# KiCad board rabbit_mask_capacitors_right.kicad_pcb (continued)
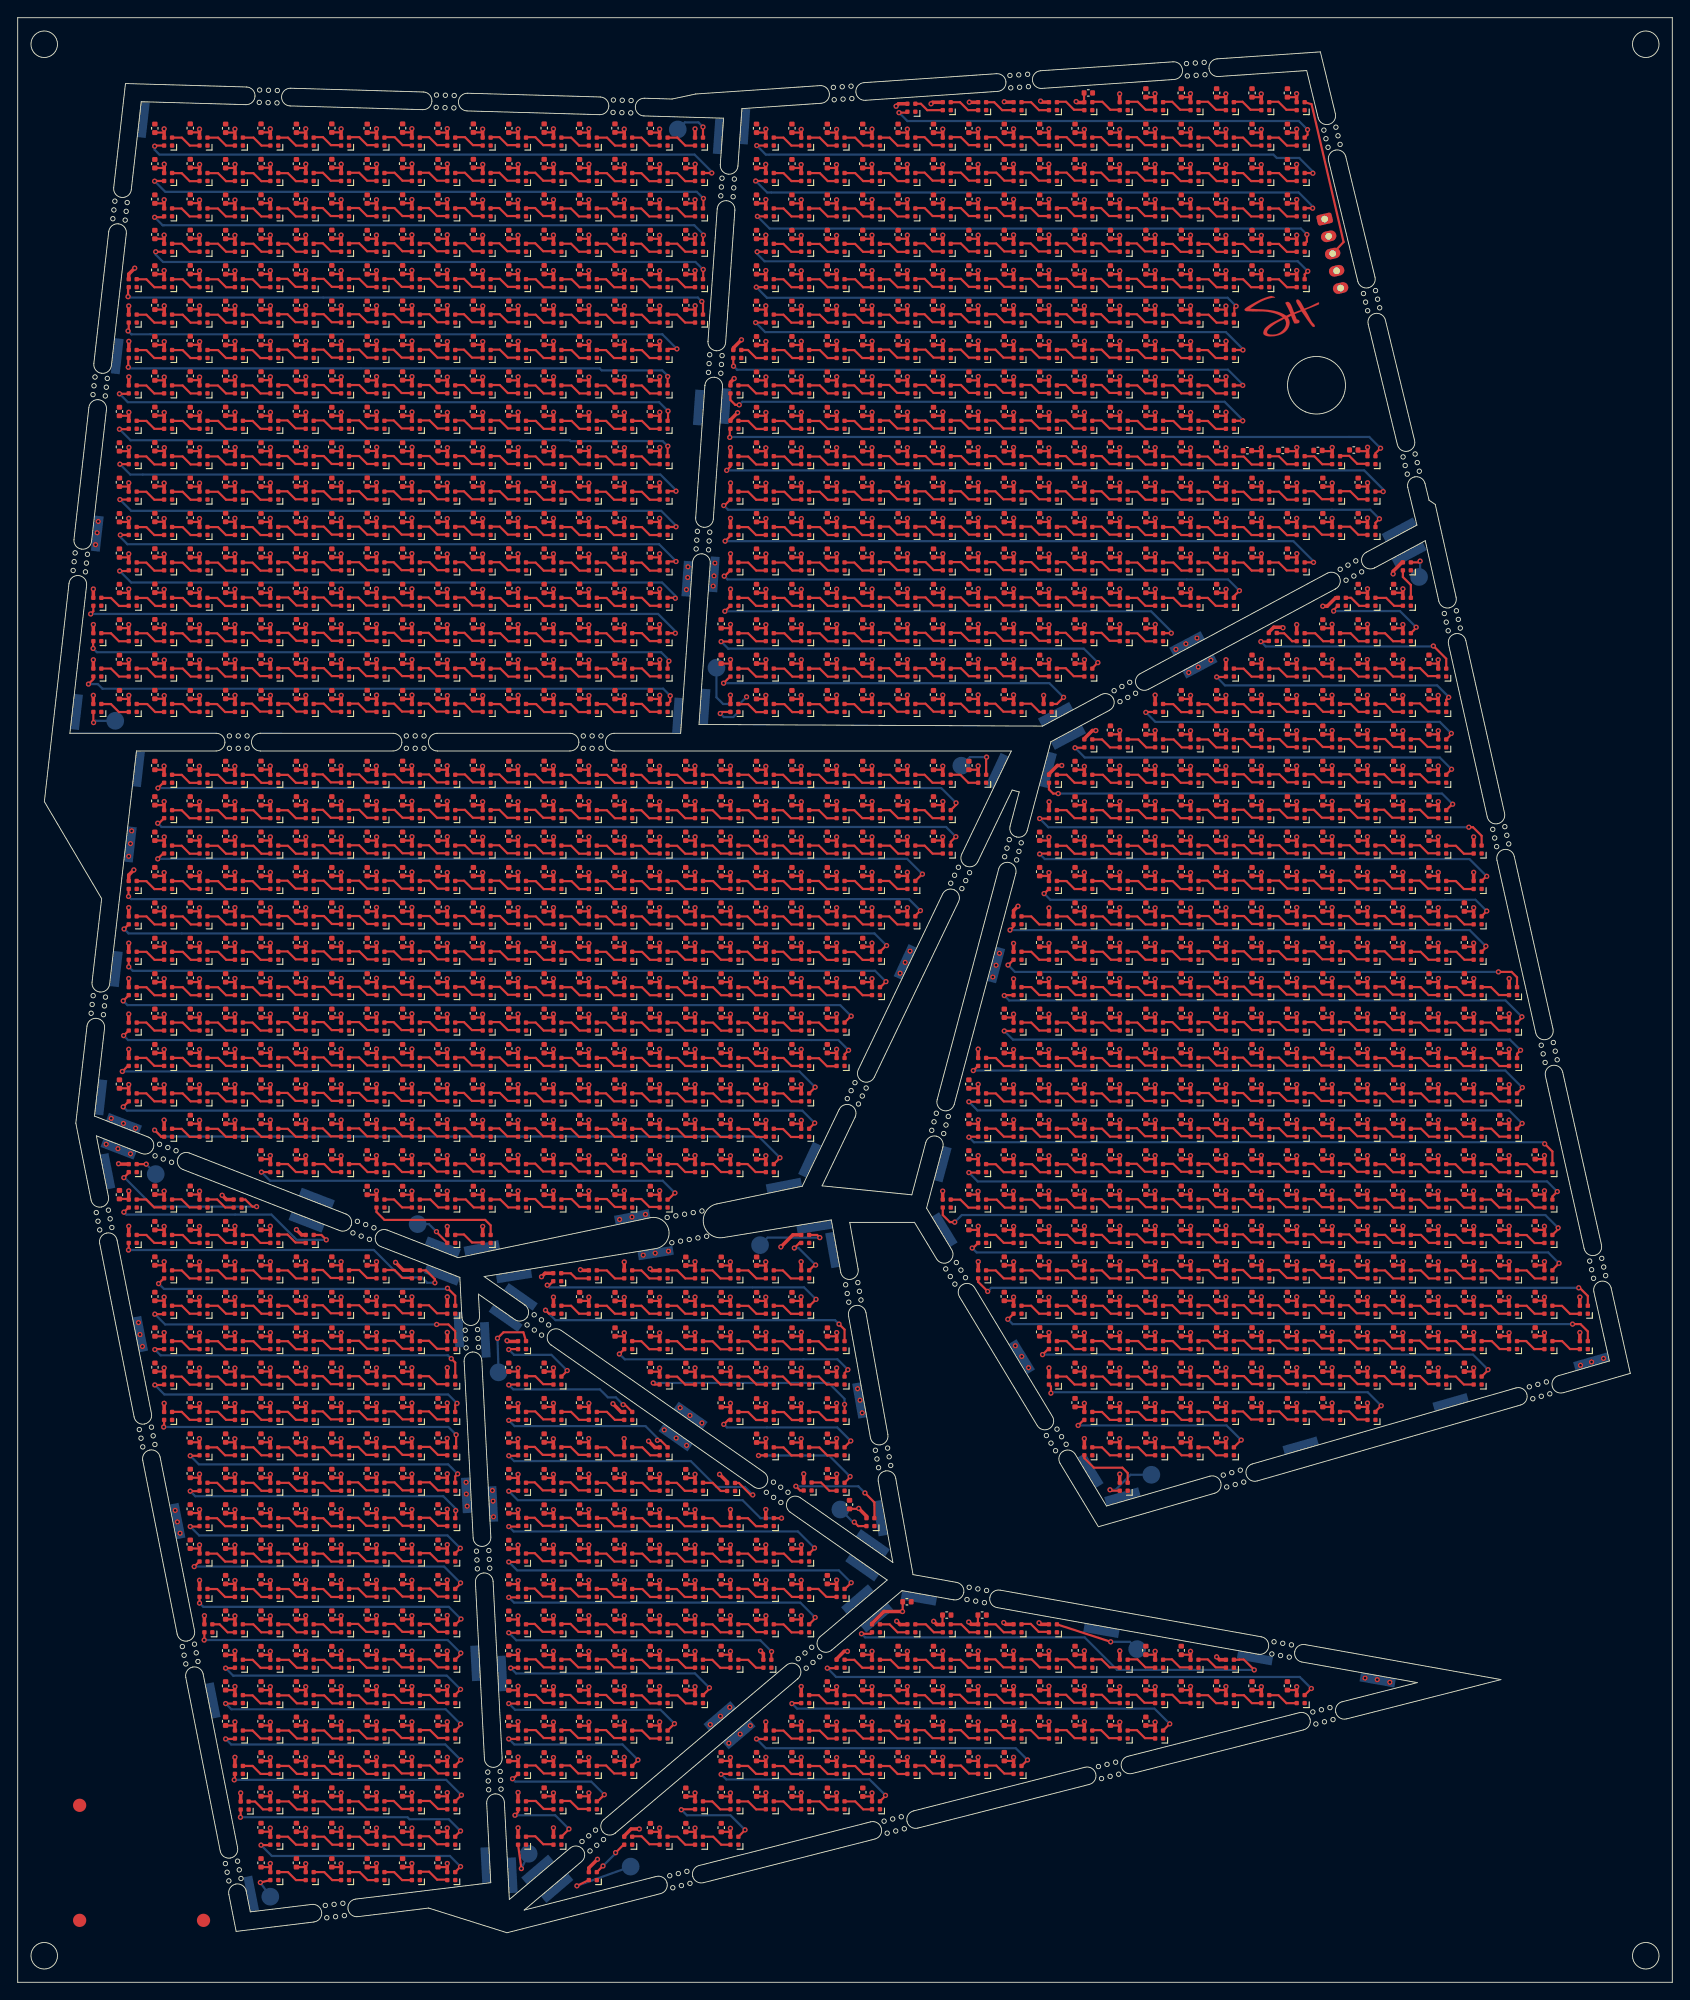
[diagram p0: board, top side]
## Nets (continued)
VCC: C1485.1 C1485#2.1 C1485#3.1 C1485#4.1 C1485#5.1 C1485#6.1 C1485#7.1 C1485#8.1 C1485#9.1 C1485#10.1 C1485#11.1 C1485#12.1 C1485#13.1 C1485#14.1 C1485#15.1 C1485#16.1 C1485#17.1 C1485#18.1 C1485#19.1 C1485#20.1 C1485#21.1 C1485#22.1 C1485#23.1 C1485#24.1 C1485#25.1 C1485#26.1 C1485#27.1 C1485#28.1 C1485#29.1 C1485#30.1 C1485#31.1 C1485#32.1 C1485#33.1 C1485#34.1 C1485#35.1 C1485#36.1 C1485#37.1 C1485#38.1 C1485#39.1 C1485#40.1 C1485#41.1 C1485#42.1 C1485#43.1 C1485#44.1 C1485#45.1 C1485#46.1 C1485#47.1 C1485#48.1 C1485#49.1 C1485#50.1 C1485#51.1 C1485#52.1 C1485#53.1 C1485#54.1 C1485#55.1 C1485#56.1 C1485#57.1 C1485#58.1 C1485#59.1 C1485#60.1 C1485#61.1 C1485#62.1 C1485#63.1 C1485#64.1 C1485#65.1 C1485#66.1 C1485#67.1 C1485#68.1 C1485#69.1 C1485#70.1 C1485#71.1 C1485#72.1 C1485#73.1 C1485#74.1 C1485#75.1 C1485#76.1 C1485#77.1 C1485#78.1 C1485#79.1 C1485#80.1 C1485#81.1 C1485#82.1 C1485#83.1 C1485#84.1 C1485#85.1 C1485#86.1 C1485#87.1 C1485#88.1 C1485#89.1 C1485#90.1 C1485#91.1 C1485#92.1 C1485#93.1 C1485#94.1 C1485#95.1 C1485#96.1 C1485#97.1 C1485#98.1 C1485#99.1 C1485#100.1 C1485#101.1 C1485#102.1 C1485#103.1 C1485#104.1 C1485#105.1 C1485#106.1 C1485#107.1 C1485#108.1 C1485#109.1 C1485#110.1 C1485#111.1 C1485#112.1 C1485#113.1 C1485#114.1 C1485#115.1 C1485#116.1 C1485#117.1 C1485#118.1 C1485#119.1 C1485#120.1 C1485#121.1 C1485#122.1 C1485#123.1 C1485#124.1 C1485#125.1 C1485#126.1 C1485#127.1 C1485#128.1 C1485#129.1 C1485#130.1 C1485#131.1 C1485#132.1 C1485#133.1 C1485#134.1 C1485#135.1 C1485#136.1 C1485#137.1 C1485#138.1 C1485#139.1 C1485#140.1 C1485#141.1 C1485#142.1 C1485#143.1 C1485#144.1 C1485#145.1 C1485#146.1 C1485#147.1 C1485#148.1 C1485#149.1 C1485#150.1 C1485#151.1 C1485#152.1 C1485#153.1 C1485#154.1 C1485#155.1 C1485#156.1 C1485#157.1 C1485#158.1 C1485#159.1 C1485#160.1 C1485#161.1 C1485#162.1 C1485#163.1 C1485#164.1 C1485#165.1 C1485#166.1 C1485#167.1 C1485#168.1 C1485#169.1 C1485#170.1 C1485#171.1 C1485#172.1 C1485#173.1 C1485#174.1 C1485#175.1 C1485#176.1 C1485#177.1 C1485#178.1 C1485#179.1 C1485#180.1 C1485#181.1 C1485#182.1 C1485#183.1 C1485#184.1 C1485#185.1 C1485#186.1 C1485#187.1 C1485#188.1 C1485#189.1 C1485#190.1 C1485#191.1 C1485#192.1 C1485#193.1 C1485#194.1 C1485#195.1 C1485#196.1 C1485#197.1 C1485#198.1 C1485#199.1 C1485#200.1 C1485#201.1 C1485#202.1 C1485#203.1 C1485#204.1 C1485#205.1 C1485#206.1 C1485#207.1 C1485#208.1 C1485#209.1 C1485#210.1 C1485#211.1 C1485#212.1 C1485#213.1 C1485#214.1 C1485#215.1 C1485#216.1 C1485#217.1 C1485#218.1 C1485#219.1 C1485#220.1 C1485#221.1 C1485#222.1 C1485#223.1 C1485#224.1 C1485#225.1 C1485#226.1 C1485#227.1 C1485#228.1 C1485#229.1 C1485#230.1 C1485#231.1 C1485#232.1 C1485#233.1 C1485#234.1 C1485#235.1 C1485#236.1 C1485#237.1 C1485#238.1 C1485#239.1 C1485#240.1 C1485#241.1 C1485#242.1 C1485#243.1 C1485#244.1 C1485#245.1 C1485#246.1 C1485#247.1 C1485#248.1 C1485#249.1 C1485#250.1 C1485#251.1 C1485#252.1 C1485#253.1 C1485#254.1 C1485#255.1 C1485#256.1 C1485#257.1 C1485#258.1 C1485#259.1 C1485#260.1 C1485#261.1 C1485#262.1 C1485#263.1 C1485#264.1 C1485#265.1 C1485#266.1 C1485#267.1 C1485#268.1 C1485#269.1 C1485#270.1 C1485#271.1 C1485#272.1 C1485#273.1 C1485#274.1 C1485#275.1 C1485#276.1 C1485#277.1 C1485#278.1 C1485#279.1 C1485#280.1 C1485#281.1 C1485#282.1 C1485#283.1 C1485#284.1 C1485#285.1 C1485#286.1 C1485#287.1 C1485#288.1 C1485#289.1 C1485#290.1 C1485#291.1 C1485#292.1 C1485#293.1 C1485#294.1 C1485#295.1 C1485#296.1 C1485#297.1 C1485#298.1 C1485#299.1 C1485#300.1 C1485#301.1 C1485#302.1 C1485#303.1 C1485#304.1 C1485#305.1 C1485#306.1 C1485#307.1 C1485#308.1 C1485#309.1 C1485#310.1 C1485#311.1 C1485#312.1 C1485#313.1 C1485#314.1 C1485#315.1 C1485#316.1 C1485#317.1 C1485#318.1 C1485#319.1 C1485#320.1 C1485#321.1 C1485#322.1 C1485#323.1 C1485#324.1 C1485#325.1 C1485#326.1 C1485#327.1 C1485#328.1 C1485#329.1 C1485#330.1 C1485#331.1 C1485#332.1 C1485#333.1 C1485#334.1 C1485#335.1 C1485#336.1 C1485#337.1 C1485#338.1 C1485#339.1 C1485#340.1 C1485#341.1 C1485#342.1 C1485#343.1 C1485#344.1 C1485#345.1 C1485#346.1 C1485#347.1 C1485#348.1 C1485#349.1 C1485#350.1 C1485#351.1 C1485#352.1 C1485#353.1 C1485#354.1 C1485#355.1 C1485#356.1 C1485#357.1 C1485#358.1 C1485#359.1 C1485#360.1 C1485#361.1 C1485#362.1 C1485#363.1 C1485#364.1 C1485#365.1 C1485#366.1 C1485#367.1 C1485#368.1 C1485#369.1 C1485#370.1 C1485#371.1 C1485#372.1 C1485#373.1 C1485#374.1 C1485#375.1 C1485#376.1 C1485#377.1 C1485#378.1 C1485#379.1 C1485#380.1 C1485#381.1 C1485#382.1 C1485#383.1 C1485#384.1 C1485#385.1 C1485#386.1 C1485#387.1 C1485#388.1 C1485#389.1 C1485#390.1 C1485#391.1 C1485#392.1 C1485#393.1 C1485#394.1 C1485#395.1 C1485#396.1 C1485#397.1 C1485#398.1 C1485#399.1 C1485#400.1 C1485#401.1 C1485#402.1 C1485#403.1 C1485#404.1 C1485#405.1 C1485#406.1 C1485#407.1 C1485#408.1 C1485#409.1 C1485#410.1 C1485#411.1 C1485#412.1 C1485#413.1 C1485#414.1 C1485#415.1 C1485#416.1 C1485#417.1 C1485#418.1 C1485#419.1 C1485#420.1 C1485#421.1 C1485#422.1 C1485#423.1 C1485#424.1 C1485#425.1 C1485#426.1 C1485#427.1 C1485#428.1 C1485#429.1 C1485#430.1 C1485#431.1 C1485#432.1 C1485#433.1 C1485#434.1 C1485#435.1 C1485#436.1 C1485#437.1 C1485#438.1 C1485#439.1 C1485#440.1 C1485#441.1 C1485#442.1 C1485#443.1 C1485#444.1 C1485#445.1 C1485#446.1 C1485#447.1 C1485#448.1 C1485#449.1 C1485#450.1 C1485#451.1 C1485#452.1 C1485#453.1 C1485#454.1 C1485#455.1 C1485#456.1 C1485#457.1 C1485#458.1 C1485#459.1 C1485#460.1 C1485#461.1 C1485#462.1 C1485#463.1 C1485#464.1 C1485#465.1 C1485#466.1 C1485#467.1 C1485#468.1 C1485#469.1 C1485#470.1 C1485#471.1 C1485#472.1 C1485#473.1 C1485#474.1 C1485#475.1 C1485#476.1 C1485#477.1 C1485#478.1 C1485#479.1 C1485#480.1 C1485#481.1 C1485#482.1 C1485#483.1 C1485#484.1 C1485#485.1 C1485#486.1 C1485#487.1 C1485#488.1 C1485#489.1 C1485#490.1 C1485#491.1 C1485#492.1 C1485#493.1 C1485#494.1 C1485#495.1 C1485#496.1 C1485#497.1 C1485#498.1 C1485#499.1 C1485#500.1 C1485#501.1 C1485#502.1 C1485#503.1 C1485#504.1 C1485#505.1 C1485#506.1 C1485#507.1 C1485#508.1 C1485#509.1 C1485#510.1 C1485#511.1 C1485#512.1 C1485#513.1 C1485#514.1 C1485#515.1 C1485#516.1 C1485#517.1 C1485#518.1 C1485#519.1 C1485#520.1 C1485#521.1 C1485#522.1 C1485#523.1 C1485#524.1 C1485#525.1 C1485#526.1 C1485#527.1 C1485#528.1 C1485#529.1 C1485#530.1 C1485#531.1 C1485#532.1 C1485#533.1 C1485#534.1 C1485#535.1 C1485#536.1 C1485#537.1 C1485#538.1 C1485#539.1 C1485#540.1 C1485#541.1 C1485#542.1 C1485#543.1 C1485#544.1 C1485#545.1 C1485#546.1 C1485#547.1 C1485#548.1 C1485#549.1 C1485#550.1 C1485#551.1 C1485#552.1 C1485#553.1 C1485#554.1 C1485#555.1 C1485#556.1 C1485#557.1 C1485#558.1 C1485#559.1 C1485#560.1 C1485#561.1 C1485#562.1 C1485#563.1 C1485#564.1 C1485#565.1 C1485#566.1 C1485#567.1 C1485#568.1 C1485#569.1 C1485#570.1 C1485#571.1 C1485#572.1 C1485#573.1 C1485#574.1 C1485#575.1 C1485#576.1 C1485#577.1 C1485#578.1 C1485#579.1 C1485#580.1 C1485#581.1 C1485#582.1 C1485#583.1 C1485#584.1 C1485#585.1 C1485#586.1 C1485#587.1 C1485#588.1 C1485#589.1 C1485#590.1 C1485#591.1 C1485#592.1 C1485#593.1 C1485#594.1 C1485#595.1 C1485#596.1 C1485#597.1 C1485#598.1 C1485#599.1 C1485#600.1 C1485#601.1 C1485#602.1 C1485#603.1 C1485#604.1 C1485#605.1 C1485#606.1 C1485#607.1 C1485#608.1 C1485#609.1 C1485#610.1 C1485#611.1 C1485#612.1 C1485#613.1 C1485#614.1 C1485#615.1 C1485#616.1 C1485#617.1 C1485#618.1 C1485#619.1 C1485#620.1 C1485#621.1 C1485#622.1 C1485#623.1 C1485#624.1 C1485#625.1 C1485#626.1 C1485#627.1 C1485#628.1 C1485#629.1 C1485#630.1 C1485#631.1 C1485#632.1 C1485#633.1 C1485#634.1 C1485#635.1 C1485#636.1 C1485#637.1 C1485#638.1 C1485#639.1 C1485#640.1 C1485#641.1 C1485#642.1 C1485#643.1 C1485#644.1 C1485#645.1 C1485#646.1 C1485#647.1 C1485#648.1 C1485#649.1 C1485#650.1 C1485#651.1 C1485#652.1 C1485#653.1 C1485#654.1 C1485#655.1 C1485#656.1 C1485#657.1 C1485#658.1 C1485#659.1 C1485#660.1 C1485#661.1 C1485#662.1 C1485#663.1 C1485#664.1 C1485#665.1 C1485#666.1 C1485#667.1 C1485#668.1 C1485#669.1 C1485#670.1 C1485#671.1 C1485#672.1 C1485#673.1 C1485#674.1 C1485#675.1 C1485#676.1 C1485#677.1 C1485#678.1 C1485#679.1 C1485#680.1 C1485#681.1 C1485#682.1 C1485#683.1 C1485#684.1 C1485#685.1 C1485#686.1 C1485#687.1 C1485#688.1 C1485#689.1 C1485#690.1 C1485#691.1 C1485#692.1 C1485#693.1 C1485#694.1 C1485#695.1 C1485#696.1 C1485#697.1 C1485#698.1 C1485#699.1 C1485#700.1 C1485#701.1 C1485#702.1 C1485#703.1 C1485#704.1 C1485#705.1 C1485#706.1 C1485#707.1 C1485#708.1 C1485#709.1 C1485#710.1 C1485#711.1 C1485#712.1 C1485#713.1 C1485#714.1 C1485#715.1 C1485#716.1 C1485#717.1 C1485#718.1 C1485#719.1 C1485#720.1 C1485#721.1 C1485#722.1 C1485#723.1 C1485#724.1 C1485#725.1 C1485#726.1 C1485#727.1 C1485#728.1 C1485#729.1 C1485#730.1 C1485#731.1 C1485#732.1 C1485#733.1 C1485#734.1 C1485#735.1 C1485#736.1 C1485#737.1 C1485#738.1 C1485#739.1 C1485#740.1 C1485#741.1 C1485#742.1 C1485#743.1 C1485#744.1 C1485#745.1 C1485#746.1 C1485#747.1 C1485#748.1 C1485#749.1 C1485#750.1 C1485#751.1 C1485#752.1 C1485#753.1 C1485#754.1 C1485#755.1 C1485#756.1 C1485#757.1 C1485#758.1 C1485#759.1 C1485#760.1 C1485#761.1 C1485#762.1 C1485#763.1 C1485#764.1 C1485#765.1 C1485#766.1 C1485#767.1 C1485#768.1 C1485#769.1 C1485#770.1 C1485#771.1 C1485#772.1 C1485#773.1 C1485#774.1 C1485#775.1 C1485#776.1 C1485#777.1 C1485#778.1 C1485#779.1 C1485#780.1 C1485#781.1 C1485#782.1 C1485#783.1 C1485#784.1 C1485#785.1 C1485#786.1 C1485#787.1 C1485#788.1 C1485#789.1 C1485#790.1 C1485#791.1 C1485#792.1 C1485#793.1 C1485#794.1 C1485#795.1 C1485#796.1 C1485#797.1 C1485#798.1 C1485#799.1 C1485#800.1 C1485#801.1 C1485#802.1 C1485#803.1 C1485#804.1 C1485#805.1 C1485#806.1 C1485#807.1 C1485#808.1 C1485#809.1 C1485#810.1 C1485#811.1 C1485#812.1 C1485#813.1 C1485#814.1 C1485#815.1 C1485#816.1 C1485#817.1 C1485#818.1 C1485#819.1 C1485#820.1 C1485#821.1 C1485#822.1 C1485#823.1 C1485#824.1 C1485#825.1 C1485#826.1 C1485#827.1 C1485#828.1 C1485#829.1 C1485#830.1 C1485#831.1 C1485#832.1 C1485#833.1 C1485#834.1 C1485#835.1 C1485#836.1 C1485#837.1 C1485#838.1 C1485#839.1 C1485#840.1 C1485#841.1 C1485#842.1 C1485#843.1 C1485#844.1 C1485#845.1 C1485#846.1 C1485#847.1 C1485#848.1 C1485#849.1 C1485#850.1 C1485#851.1 C1485#852.1 C1485#853.1 C1485#854.1 C1485#855.1 C1485#856.1 C1485#857.1 C1485#858.1 C1485#859.1 C1485#860.1 C1485#861.1 C1485#862.1 C1485#863.1 C1485#864.1 C1485#865.1 C1485#866.1 C1485#867.1 C1485#868.1 C1485#869.1 C1485#870.1 C1485#871.1 C1485#872.1 C1485#873.1 C1485#874.1 C1485#875.1 C1485#876.1 C1485#877.1 C1485#878.1 C1485#879.1 C1485#880.1 C1485#881.1 C1485#882.1 C1485#883.1 C1485#884.1 C1485#885.1 C1485#886.1 C1485#887.1 C1485#888.1 C1485#889.1 C1485#890.1 C1485#891.1 C1485#892.1 C1485#893.1 C1485#894.1 C1485#895.1 C1485#896.1 C1485#897.1 C1485#898.1 C1485#899.1 C1485#900.1 C1485#901.1 C1485#902.1 C1485#903.1 C1485#904.1 C1485#905.1 C1485#906.1 C1485#907.1 C1485#908.1 C1485#909.1 C1485#910.1 C1485#911.1 C1485#912.1 C1485#913.1 C1485#914.1 C1485#915.1 C1485#916.1 C1485#917.1 C1485#918.1 C1485#919.1 C1485#920.1 C1485#921.1 C1485#922.1 C1485#923.1 C1485#924.1 C1485#925.1 C1485#926.1 C1485#927.1 C1485#928.1 C1485#929.1 C1485#930.1 C1485#931.1 C1485#932.1 C1485#933.1 C1485#934.1 C1485#935.1 C1485#936.1 C1485#937.1 C1485#938.1 C1485#939.1 C1485#940.1 C1485#941.1 C1485#942.1 C1485#943.1 C1485#944.1 C1485#945.1 C1485#946.1 C1485#947.1 C1485#948.1 C1485#949.1 C1485#950.1 C1485#951.1 C1485#952.1 C1485#953.1 C1485#954.1 C1485#955.1 C1485#956.1 C1485#957.1 C1485#958.1 C1485#959.1 C1485#960.1 C1485#961.1 C1485#962.1 C1485#963.1 C1485#964.1 C1485#965.1 C1485#966.1 C1485#967.1 C1485#968.1 C1485#969.1 C1485#970.1 C1485#971.1 C1485#972.1 C1485#973.1 C1485#974.1 C1485#975.1 C1485#976.1 C1485#977.1 C1485#978.1 C1485#979.1 C1485#980.1 C1485#981.1 C1485#982.1 C1485#983.1 C1485#984.1 C1485#985.1 C1485#986.1 C1485#987.1 C1485#988.1 C1485#989.1 C1485#990.1 C1485#991.1 C1485#992.1 C1485#993.1 C1485#994.1 C1485#995.1 C1485#996.1 C1485#997.1 C1485#998.1 C1485#999.1 C1485#1000.1 C1485#1001.1 C1485#1002.1 C1485#1003.1 C1485#1004.1 C1485#1005.1 C1485#1006.1 C1485#1007.1 C1485#1008.1 C1485#1009.1 C1485#1010.1 C1485#1011.1 C1485#1012.1 C1485#1013.1 C1485#1014.1 C1485#1015.1 C1485#1016.1 C1485#1017.1 C1485#1018.1 C1485#1019.1 C1485#1020.1 C1485#1021.1 C1485#1022.1 C1485#1023.1 C1485#1024.1 C1485#1025.1 C1485#1026.1 C1485#1027.1 C1485#1028.1 C1485#1029.1 C1485#1030.1 C1485#1031.1 C1485#1032.1 C1485#1033.1 C1485#1034.1 C1485#1035.1 C1485#1036.1 C1485#1037.1 C1485#1038.1 C1485#1039.1 C1485#1040.1 C1485#1041.1 C1485#1042.1 C1485#1043.1 C1485#1044.1 C1485#1045.1 C1485#1046.1 C1485#1047.1 C1485#1048.1 C1485#1049.1 C1485#1050.1 C1485#1051.1 C1485#1052.1 C1485#1053.1 C1485#1054.1 C1485#1055.1 C1485#1056.1 C1485#1057.1 C1485#1058.1 C1485#1059.1 C1485#1060.1 C1485#1061.1 C1485#1062.1 C1485#1063.1 C1485#1064.1 C1485#1065.1 C1485#1066.1 C1485#1067.1 C1485#1068.1 C1485#1069.1 C1485#1070.1 C1485#1071.1 C1485#1072.1 C1485#1073.1 C1485#1074.1 C1485#1075.1 C1485#1076.1 C1485#1077.1 C1485#1078.1 C1485#1079.1 C1485#1080.1 C1485#1081.1 C1485#1082.1 C1485#1083.1 C1485#1084.1 C1485#1085.1 C1485#1086.1 C1485#1087.1 C1485#1088.1 C1485#1089.1 C1485#1090.1 C1485#1091.1 C1485#1092.1 C1485#1093.1 C1485#1094.1 C1485#1095.1 C1485#1096.1 C1485#1097.1 C1485#1098.1 C1485#1099.1 C1485#1100.1 C1485#1101.1 C1485#1102.1 C1485#1103.1 C1485#1104.1 C1485#1105.1 C1485#1106.1 C1485#1107.1 C1485#1108.1 C1485#1109.1 C1485#1110.1 C1485#1111.1 C1485#1112.1 C1485#1113.1 C1485#1114.1 C1485#1115.1 C1485#1116.1 C1485#1117.1 C1485#1118.1 C1485#1119.1 C1485#1120.1 C1485#1121.1 C1485#1122.1 C1485#1123.1 C1485#1124.1 C1485#1125.1 C1485#1126.1 C1485#1127.1 C1485#1128.1 C1485#1129.1 C1485#1130.1 C1485#1131.1 C1485#1132.1 C1485#1133.1 C1485#1134.1 C1485#1135.1 C1485#1136.1 C1485#1137.1 C1485#1138.1 C1485#1139.1 C1485#1140.1 C1485#1141.1 C1485#1142.1 C1485#1143.1 C1485#1144.1 C1485#1145.1 C1485#1146.1 C1485#1147.1 C1485#1148.1 C1485#1149.1 C1485#1150.1 C1485#1151.1 C1485#1152.1 C1485#1153.1 C1485#1154.1 C1485#1155.1 C1485#1156.1 C1485#1157.1 C1485#1158.1 C1485#1159.1 C1485#1160.1 C1485#1161.1 C1485#1162.1 C1485#1163.1 C1485#1164.1 C1485#1165.1 C1485#1166.1 C1485#1167.1 C1485#1168.1 C1485#1169.1 C1485#1170.1 C1485#1171.1 C1485#1172.1 C1485#1173.1 C1485#1174.1 C1485#1175.1 C1485#1176.1 C1485#1177.1 C1485#1178.1 C1485#1179.1 C1485#1180.1 C1485#1181.1 C1485#1182.1 C1485#1183.1 C1485#1184.1 C1485#1185.1 C1485#1186.1 C1485#1187.1 C1485#1188.1 C1485#1189.1 C1485#1190.1 C1485#1191.1 C1485#1192.1 C1485#1193.1 C1485#1194.1 C1485#1195.1 C1485#1196.1 C1485#1197.1 C1485#1198.1 C1485#1199.1 C1485#1200.1 C1485#1201.1 C1485#1202.1 C1485#1203.1 C1485#1204.1 C1485#1205.1 C1485#1206.1 C1485#1207.1 C1485#1208.1 C1485#1209.1 C1485#1210.1 C1485#1211.1 C1485#1212.1 C1485#1213.1 C1485#1214.1 C1485#1215.1 C1485#1216.1 C1485#1217.1 C1485#1218.1 C1485#1219.1 C1485#1220.1 C1485#1221.1 C1485#1222.1 C1485#1223.1 C1485#1224.1 C1485#1225.1 C1485#1226.1 C1485#1227.1 C1485#1228.1 C1485#1229.1 C1485#1230.1 C1485#1231.1 C1485#1232.1 C1485#1233.1 C1485#1234.1 C1485#1235.1 C1485#1236.1 C1485#1237.1 C1485#1238.1 C1485#1239.1 C1485#1240.1 C1485#1241.1 C1485#1242.1 C1485#1243.1 C1485#1244.1 C1485#1245.1 C1485#1246.1 C1485#1247.1 C1485#1248.1 C1485#1249.1 C1485#1250.1 C1485#1251.1 C1485#1252.1 C1485#1253.1 C1485#1254.1 C1485#1255.1 C1485#1256.1 C1485#1257.1 C1485#1258.1 C1485#1259.1 C1485#1260.1 C1485#1261.1 C1485#1262.1 C1485#1263.1 C1485#1264.1 C1485#1265.1 C1485#1266.1 C1485#1267.1 C1485#1268.1 C1485#1269.1 C1485#1270.1 C1485#1271.1 C1485#1272.1 C1485#1273.1 C1485#1274.1 C1485#1275.1 C1485#1276.1 C1485#1277.1 C1485#1278.1 C1485#1279.1 C1485#1280.1 C1485#1281.1 C1485#1282.1 C1485#1283.1 C1485#1284.1 C1485#1285.1 C1485#1286.1 C1485#1287.1 C1485#1288.1 C1485#1289.1 C1485#1290.1 C1485#1291.1 C1485#1292.1 C1485#1293.1 C1485#1294.1 C1485#1295.1 C1485#1296.1 C1485#1297.1 C1485#1298.1 C1485#1299.1 C1485#1300.1 C1485#1301.1 C1485#1302.1 C1485#1303.1 C1485#1304.1 C1485#1305.1 C1485#1306.1 C1485#1307.1 C1485#1308.1 C1485#1309.1 C1485#1310.1 C1485#1311.1 C1485#1312.1 C1485#1313.1 C1485#1314.1 C1485#1315.1 C1485#1316.1 C1485#1317.1 C1485#1318.1 C1485#1319.1 C1485#1320.1 C1485#1321.1 C1485#1322.1 C1485#1323.1 C1485#1324.1 C1485#1325.1 C1485#1326.1 C1485#1327.1 C1485#1328.1 C1485#1329.1 C1485#1330.1 C1485#1331.1 C1485#1332.1 C1485#1333.1 C1485#1334.1 C1485#1335.1 C1485#1336.1 C1485#1337.1 C1485#1338.1 C1485#1339.1 C1485#1340.1 C1485#1341.1 C1485#1342.1 C1485#1343.1 C1485#1344.1 C1485#1345.1 C1485#1346.1 C1485#1347.1 C1485#1348.1 C1485#1349.1 C1485#1350.1 C1485#1351.1 C1485#1352.1 C1485#1353.1 C1485#1354.1 C1485#1355.1 C1485#1356.1 C1485#1357.1 C1485#1358.1 C1485#1359.1 C1485#1360.1 C1485#1361.1 C1485#1362.1 C1485#1363.1 C1485#1364.1 C1485#1365.1 C1485#1366.1 C1485#1367.1 C1485#1368.1 C1485#1369.1 C1485#1370.1 C1485#1371.1 C1485#1372.1 C1485#1373.1 C1485#1374.1 C1485#1375.1 C1485#1376.1 C1485#1377.1 C1485#1378.1 C1485#1379.1 D1485.2 D1486.2 D1487.2 D1488.2 D1489.2 D1490.2 D1491.2 D1492.2 D1493.2 D1494.2 D1495.2 D1496.2 D1497.2 D1498.2 D1499.2 D1500.2 D1501.2 D1502.2 D1503.2 D1504.2 D1505.2 D1506.2 D1507.2 D1508.2 D1509.2 D1510.2 D1511.2 D1512.2 D1513.2 D1514.2 D1515.2 D1516.2 D1517.2 D1518.2 D1519.2 D1520.2 D1521.2 D1522.2 D1523.2 D1524.2 D1525.2 D1526.2 D1527.2 D1528.2 D1529.2 D1530.2 D1531.2 D1532.2 D1533.2 D1534.2 D1535.2 D1536.2 D1537.2 D1538.2 D1539.2 D1540.2 D1541.2 D1542.2 D1543.2 D1544.2 D1545.2 D1546.2 D1547.2 D1548.2 D1549.2 D1550.2 D1551.2 D1552.2 D1553.2 D1554.2 D1555.2 D1556.2 D1557.2 D1558.2 D1559.2 D1560.2 D1561.2 D1562.2 D1563.2 D1564.2 D1565.2 D1566.2 D1567.2 D1568.2 D1569.2 D1570.2 D1571.2 D1572.2 D1573.2 D1574.2 D1575.2 D1576.2 D1577.2 D1578.2 D1579.2 D1580.2 D1581.2 D1582.2 D1583.2 D1584.2 D1585.2 D1586.2 D1587.2 D1588.2 D1589.2 D1590.2 D1591.2 D1592.2 D1593.2 D1594.2 D1595.2 D1596.2 D1597.2 D1598.2 D1599.2 D1600.2 D1601.2 D1602.2 D1603.2 D1604.2 D1605.2 D1606.2 D1607.2 D1608.2 D1609.2 D1610.2 D1611.2 D1612.2 D1613.2 D1614.2 D1615.2 D1616.2 D1617.2 D1618.2 D1619.2 D1620.2 D1621.2 D1622.2 D1623.2 D1624.2 D1625.2 D1626.2 D1627.2 D1628.2 D1629.2 D1630.2 D1631.2 D1632.2 D1633.2 D1634.2 D1635.2 D1636.2 D1637.2 D1638.2 D1639.2 D1640.2 D1641.2 D1642.2 D1643.2 D1644.2 D1645.2 D1646.2 D1647.2 D1648.2 D1649.2 D1650.2 D1651.2 D1652.2 D1653.2 D1654.2 D1655.2 D1656.2 D1657.2 D1658.2 D1660.2 D1661.2 D1662.2 D1663.2 D1664.2 D1665.2 D1666.2 D1667.2 D1668.2 D1669.2 D1670.2 D1671.2 D1672.2 D1673.2 D1674.2 D1675.2 D1676.2 D1677.2 D1678.2 D1679.2 D1680.2 D1681.2 D1682.2 D1683.2 D1684.2 D1685.2 D1686.2 D1687.2 D1688.2 D1689.2 D1690.2 D1694.2 D1695.2 D1696.2 D1697.2 D1698.2 D1699.2 D1700.2 D1701.2 D1702.2 D1703.2 D1704.2 D1705.2 D1706.2 D1707.2 D1708.2 D1709.2 D1710.2 D1711.2 D1712.2 D1713.2 D1714.2 D1715.2 D1716.2 D1717.2 D1718.2 D1719.2 D1720.2 D1721.2 D1722.2 D1723.2 D1724.2 D1725.2 D1726.2 D1727.2 D1728.2 D1729.2 D1730.2 D1731.2 D1732.2 D1733.2 D1734.2 D1735.2 D1736.2 D1737.2 D1738.2 D1739.2 D1740.2 D1741.2 D1742.2 D1743.2 D1744.2 D1745.2 D1746.2 D1747.2 D1748.2 D1749.2 D1750.2 D1751.2 D1752.2 D1753.2 D1754.2 D1755.2 D1756.2 D1757.2 D1758.2 D1759.2 D1760.2 D1761.2 D1762.2 D1763.2 D1764.2 D1765.2 D1766.2 D1767.2 D1768.2 D1769.2 D1770.2 D1771.2 D1772.2 D1773.2 D1774.2 D1775.2 D1776.2 D1777.2 D1778.2 D1779.2 D1780.2 D1781.2 D1782.2 D1783.2 D1784.2 D1785.2 D1786.2 D1787.2 D1788.2 D1789.2 D1790.2 D1791.2 D1792.2 D1793.2 D1794.2 D1795.2 D1796.2 D1797.2 D1798.2 D1799.2 D1800.2 D1801.2 D1802.2 D1803.2 D1804.2 D1805.2 D1806.2 D1807.2 D1808.2 D1809.2 D1810.2 D1811.2 D1812.2 D1813.2 D1814.2 D1815.2 D1816.2 D1817.2 D1818.2 D1819.2 D1820.2 D1821.2 D1822.2 D1823.2 D1824.2 D1825.2 D1826.2 D1827.2 D1828.2 D1829.2 D1830.2 D1831.2 D1832.2 D1833.2 D1834.2 D1835.2 D1836.2 D1837.2 D1838.2 D1839.2 D1840.2 D1841.2 D1842.2 D1843.2 D1844.2 D1845.2 D1846.2 D1847.2 D1848.2 D1849.2 D1850.2 D1851.2 D1852.2 D1853.2 D1854.2 D1855.2 D1856.2 D1857.2 D1858.2 D1859.2 D1860.2 D1861.2 D1862.2 D1863.2 D1864.2 D1865.2 D1866.2 D1867.2 D1868.2 D1869.2 D1870.2 D1871.2 D1872.2 D1873.2 D1874.2 D1875.2 D1876.2 D1877.2 D1878.2 D1879.2 D1880.2 D1881.2 D1882.2 D1883.2 D1884.2 D1885.2 D1886.2 D1887.2 D1888.2 D1889.2 D1890.2 D1891.2 D1892.2 D1893.2 D1894.2 D1895.2 D1896.2 D1897.2 D1898.2 D1899.2 D1900.2 D1901.2 D1902.2 D1903.2 D1904.2 D1905.2 D1906.2 D1907.2 D1908.2 D1909.2 D1910.2 D1911.2 D1912.2 D1913.2 D1914.2 D1915.2 D1916.2 D1917.2 D1918.2 D1919.2 D1920.2 D1921.2 D1922.2 D1923.2 D1924.2 D1925.2 D1926.2 D1927.2 D1928.2 D1929.2 D1930.2 D1931.2 D1932.2 D1933.2 D1934.2 D1935.2 D1936.2 D1937.2 D1938.2 D1939.2 D1940.2 D1941.2 D1942.2 D1943.2 D1944.2 D1945.2 D1946.2 D1947.2 D1948.2 D1949.2 D1950.2 D1951.2 D1952.2 D1953.2 D1954.2 D1955.2 D1956.2 D1957.2 D1958.2 D1959.2 D1960.2 D1961.2 D1962.2 D1963.2 D1964.2 D1965.2 D1966.2 D1967.2 D1968.2 D1969.2 D1970.2 D1971.2 D1972.2 D1973.2 D1974.2 D1975.2 D1976.2 D1977.2 D1978.2 D1979.2 D1980.2 D1981.2 D1982.2 D1983.2 D1984.2 D1985.2 D1986.2 D1987.2 D1988.2 D1989.2 D1990.2 D1991.2 D1992.2 D1993.2 D1994.2 D1995.2 D1996.2 D1997.2 D1998.2 D1999.2 D2000.2 D2001.2 D2002.2 D2003.2 D2004.2 D2005.2 D2006.2 D2007.2 D2008.2 D2009.2 D2010.2 D2011.2 D2012.2 D2013.2 D2014.2 D2015.2 D2016.2 D2017.2 D2018.2 D2019.2 D2020.2 D2021.2 D2022.2 D2023.2 D2024.2 D2025.2 D2026.2 D2027.2 D2028.2 D2029.2 D2030.2 D2031.2 D2032.2 D2033.2 D2034.2 D2035.2 D2036.2 D2037.2 D2038.2 D2039.2 D2040.2 D2041.2 D2042.2 D2043.2 D2044.2 D2045.2 D2046.2 D2047.2 D2048.2 D2049.2 D2050.2 D2051.2 D2052.2 D2053.2 D2054.2 D2055.2 D2056.2 D2057.2 D2058.2 D2059.2 D2060.2 D2061.2 D2062.2 D2063.2 D2064.2 D2065.2 D2066.2 D2067.2 D2068.2 D2069.2 D2070.2 D2071.2 D2072.2 D2073.2 D2074.2 D2075.2 D2076.2 D2077.2 D2078.2 D2079.2 D2080.2 D2081.2 D2082.2 D2083.2 D2084.2 D2085.2 D2086.2 D2087.2 D2088.2 D2089.2 D2090.2 D2091.2 D2092.2 D2093.2 D2094.2 D2095.2 D2096.2 D2097.2 D2098.2 D2099.2 D2100.2 D2101.2 D2102.2 D2103.2 D2104.2 D2105.2 D2106.2 D2107.2 D2108.2 D2109.2 D2110.2 D2111.2 D2112.2 D2113.2 D2114.2 D2115.2 D2116.2 D2117.2 D2118.2 D2119.2 D2120.2 D2121.2 D2122.2 D2123.2 D2124.2 D2125.2 D2126.2 D2127.2 D2128.2 D2129.2 D2130.2 D2131.2 D2132.2 D2133.2 D2134.2 D2135.2 D2136.2 D2137.2 D2138.2 D2139.2 D2140.2 D2141.2 D2142.2 D2143.2 D2144.2 D2145.2 D2146.2 D2147.2 D2148.2 D2149.2 D2150.2 D2151.2 D2152.2 D2153.2 D2154.2 D2155.2 D2156.2 D2157.2 D2158.2 D2159.2 D2160.2 D2161.2 D2162.2 D2163.2 D2164.2 D2165.2 D2166.2 D2167.2 D2168.2 D2169.2 D2170.2 D2171.2 D2172.2 D2173.2 D2174.2 D2175.2 D2176.2 D2177.2 D2178.2 D2179.2 D2180.2 D2181.2 D2182.2 D2183.2 D2184.2 D2185.2 D2186.2 D2187.2 D2188.2 D2189.2 D2190.2 D2191.2 D2192.2 D2193.2 D2194.2 D2195.2 D2196.2 D2197.2 D2198.2 D2199.2 D2200.2 D2201.2 D2202.2 D2203.2 D2204.2 D2205.2 D2206.2 D2207.2 D2208.2 D2209.2 D2210.2 D2211.2 D2212.2 D2213.2 D2214.2 D2215.2 D2216.2 D2217.2 D2218.2 D2219.2 D2220.2 D2221.2 D2222.2 D2223.2 D2224.2 D2225.2 D2226.2 D2227.2 D2228.2 D2229.2 D2230.2 D2231.2 D2232.2 D2233.2 D2234.2 D2235.2 D2236.2 D2237.2 D2238.2 D2239.2 D2240.2 D2241.2 D2242.2 D2243.2 D2244.2 D2245.2 D2246.2 D2247.2 D2248.2 D2249.2 D2250.2 D2251.2 D2252.2 D2253.2 D2254.2 D2255.2 D2256.2 D2257.2 D2258.2 D2259.2 D2260.2 D2261.2 D2262.2 D2263.2 D2264.2 D2265.2 D2266.2 D2267.2 D2268.2 D2269.2 D2270.2 D2271.2 D2272.2 D2273.2 D2274.2 D2275.2 D2276.2 D2277.2 D2278.2 D2279.2 D2280.2 D2281.2 D2282.2 D2283.2 D2284.2 D2285.2 D2286.2 D2287.2 D2288.2 D2289.2 D2290.2 D2291.2 D2292.2 D2293.2 D2294.2 D2295.2 D2296.2 D2297.2 D2298.2 D2299.2 D2300.2 D2301.2 D2302.2 D2303.2 D2304.2 D2305.2 D2306.2 D2307.2 D2308.2 D2309.2 D2310.2 D2311.2 D2312.2 D2313.2 D2314.2 D2315.2 D2316.2 D2317.2 D2318.2 D2319.2 D2320.2 D2321.2 D2322.2 D2323.2 D2324.2 D2325.2 D2326.2 D2327.2 D2328.2 D2329.2 D2330.2 D2331.2 D2332.2 D2333.2 D2334.2 D2335.2 D2336.2 D2337.2 D2338.2 D2339.2 D2340.2 D2341.2 D2342.2 D2343.2 D2344.2 D2345.2 D2346.2 D2347.2 D2348.2 D2349.2 D2350.2 D2351.2 D2352.2 D2353.2 D2354.2 D2355.2 D2356.2 D2357.2 D2358.2 D2359.2 D2360.2 D2361.2 D2362.2 D2363.2 D2364.2 D2365.2 D2366.2 D2367.2 D2368.2 D2369.2 D2370.2 D2371.2 D2372.2 D2373.2 D2374.2 D2375.2 D2376.2 D2377.2 D2378.2 D2379.2 D2380.2 D2381.2 D2382.2 D2383.2 D2384.2 D2385.2 D2386.2 D2387.2 D2388.2 D2389.2 D2390.2 D2391.2 D2392.2 D2393.2 D2394.2 D2395.2 D2396.2 D2397.2 D2398.2 D2399.2 D2400.2 D2401.2 D2402.2 D2403.2 D2404.2 D2405.2 D2406.2 D2407.2 D2408.2 D2409.2 D2410.2 D2411.2 D2412.2 D2413.2 D2414.2 D2415.2 D2416.2 D2417.2 D2418.2 D2419.2 D2420.2 D2421.2 D2422.2 D2423.2 D2424.2 D2425.2 D2426.2 D2427.2 D2428.2 D2429.2 D2430.2 D2431.2 D2432.2 D2433.2 D2434.2 D2435.2 D2436.2 D2437.2 D2438.2 D2439.2 D2440.2 D2441.2 D2442.2 D2443.2 D2444.2 D2445.2 D2446.2 D2447.2 D2448.2 D2449.2 D2450.2 D2451.2 D2452.2 D2453.2 D2454.2 D2455.2 D2456.2 D2457.2 D2458.2 D2459.2 D2460.2 D2461.2 D2462.2 D2463.2 D2464.2 D2465.2 D2466.2 D2467.2 D2468.2 D2469.2 D2470.2 D2471.2 D2472.2 D2473.2 D2474.2 D2475.2 D2476.2 D2477.2 D2478.2 D2479.2 D2480.2 D2481.2 D2482.2 D2483.2 D2484.2 D2485.2 D2486.2 D2487.2 D2488.2 D2489.2 D2490.2 D2491.2 D2492.2 D2493.2 D2494.2 D2495.2 D2496.2 D2497.2 D2498.2 D2499.2 D2500.2 D2501.2 D2502.2 D2503.2 D2504.2 D2505.2 D2506.2 D2507.2 D2508.2 D2509.2 D2510.2 D2511.2 D2512.2 D2513.2 D2514.2 D2515.2 D2516.2 D2517.2 D2518.2 D2519.2 D2520.2 D2521.2 D2522.2 D2523.2 D2524.2 D2525.2 D2526.2 D2527.2 D2528.2 D2529.2 D2530.2 D2531.2 D2532.2 D2533.2 D2534.2 D2535.2 D2536.2 D2537.2 D2538.2 D2539.2 D2540.2 D2541.2 D2542.2 D2543.2 D2544.2 D2545.2 D2546.2 D2547.2 D2548.2 D2549.2 D2550.2 D2551.2 D2552.2 D2553.2 D2554.2 D2555.2 D2556.2 D2557.2 D2558.2 D2559.2 D2560.2 D2561.2 D2562.2 D2563.2 D2564.2 D2565.2 D2566.2 D2567.2 D2568.2 D2569.2 D2570.2 D2571.2 D2572.2 D2573.2 D2574.2 D2575.2 D2576.2 D2577.2 D2578.2 D2579.2 D2580.2 D2581.2 D2582.2 D2583.2 D2584.2 D2585.2 D2586.2 D2587.2 D2588.2 D2589.2 D2590.2 D2591.2 D2592.2 D2593.2 D2594.2 D2595.2 D2596.2 D2597.2 D2598.2 D2599.2 D2600.2 D2601.2 D2602.2 D2603.2 D2604.2 D2605.2 D2606.2 D2607.2 D2608.2 D2609.2 D2610.2 D2611.2 D2612.2 D2613.2 D2614.2 D2615.2 D2616.2 D2617.2 D2618.2 D2619.2 D2620.2 D2621.2 D2622.2 D2623.2 D2624.2 D2625.2 D2626.2 D2627.2 D2628.2 D2629.2 D2630.2 D2631.2 D2632.2 D2633.2 D2634.2 D2635.2 D2636.2 D2637.2 D2638.2 D2639.2 D2640.2 D2641.2 D2642.2 D2643.2 D2644.2 D2645.2 D2646.2 D2647.2 D2648.2 D2649.2 D2650.2 D2651.2 D2652.2 D2653.2 D2654.2 D2655.2 D2656.2 D2657.2 D2658.2 D2659.2 D2660.2 D2661.2 D2662.2 D2663.2 D2664.2 D2665.2 D2666.2 D2667.2 D2668.2 D2669.2 D2670.2 D2671.2 D2672.2 D2673.2 D2674.2 D2675.2 D2676.2 D2677.2 D2678.2 D2679.2 D2680.2 D2681.2 D2682.2 D2683.2 D2684.2 D2685.2 D2686.2 D2687.2 D2688.2 D2689.2 D2690.2 D2691.2 D2692.2 D2693.2 D2694.2 D2695.2 D2696.2 D2697.2 D2698.2 D2699.2 D2700.2 D2701.2 D2702.2 D2703.2 D2704.2 D2705.2 D2706.2 D2707.2 D2708.2 D2709.2 D2710.2 D2711.2 D2712.2 D2713.2 D2714.2 D2715.2 D2716.2 D2717.2 D2718.2 D2719.2 D2720.2 D2721.2 D2722.2 D2723.2 D2724.2 D2725.2 D2726.2 D2727.2 D2728.2 D2729.2 D2730.2 D2731.2 D2732.2 D2733.2 D2734.2 D2735.2 D2736.2 D2737.2 D2738.2 D2739.2 D2740.2 D2741.2 D2742.2 D2743.2 D2744.2 D2745.2 D2746.2 D2747.2 D2748.2 D2749.2 D2750.2 D2751.2 D2752.2 D2753.2 D2754.2 D2755.2 D2756.2 D2757.2 D2758.2 D2759.2 D2760.2 D2761.2 D2762.2 D2763.2 D2764.2 D2765.2 D2766.2 D2767.2 D2768.2 D2769.2 D2770.2 D2771.2 D2772.2 D2773.2 D2774.2 D2775.2 D2776.2 D2777.2 D2778.2 D2779.2 D2780.2 D2781.2 D2782.2 D2783.2 D2784.2 D2785.2 D2786.2 D2787.2 D2788.2 D2789.2 D2790.2 D2791.2 D2792.2 D2793.2 D2794.2 D2795.2 D2796.2 D2797.2 D2798.2 D2799.2 D2800.2 D2801.2 D2802.2 D2803.2 D2804.2 D2805.2 D2806.2 D2807.2 D2808.2 D2809.2 D2810.2 D2811.2 D2812.2 D2813.2 D2814.2 D2815.2 D2816.2 D2817.2 D2818.2 D2819.2 D2820.2 D2821.2 D2822.2 D2823.2 D2824.2 D2825.2 D2826.2 D2827.2 D2828.2 D2829.2 D2830.2 D2831.2 D2832.2 D2833.2 D2834.2 D2835.2 D2836.2 D2837.2 D2838.2 D2839.2 D2840.2 D2841.2 D2842.2 D2843.2 D2844.2 D2845.2 D2846.2 D2847.2 D2848.2 D2849.2 D2850.2 D2851.2 D2852.2 D2853.2 D2854.2 D2855.2 D2856.2 D2857.2 D2858.2 D2859.2 D2860.2 D2861.2 D2862.2 D2863.2 D2864.2 D2865.2 D2866.2 D2867.2 D2868.2 D2869.2 D2870.2 D2871.2 D2872.2 D2873.2 D2874.2 D2875.2 D2876.2 D2877.2 D2878.2 D2879.2 D2880.2 D2881.2 D2882.2 D2883.2 D2884.2 D2885.2 D2886.2 D2887.2 D2888.2 D2889.2 D2890.2 D2891.2 D2892.2 D2893.2 D2894.2 D2895.2 D2896.2 D2897.2 D2898.2 D2899.2 D2900.2 D2901.2 D2902.2 D2903.2 D2904.2 D2905.2 D2906.2 D2907.2 D2908.2 D2909.2 D2910.2 D2911.2 D2912.2 D2913.2 D2914.2 D2915.2 D2916.2 D2917.2 D2918.2 D2919.2 D2920.2 D2921.2 D2922.2 D2923.2 D2924.2 D2925.2 D2926.2 D2927.2 D2928.2 D2929.2 D2930.2 D2931.2 D2932.2 D2933.2 D2934.2 D2935.2 D2936.2 D2937.2 D2938.2 D2939.2 D2940.2 D2941.2 D2942.2 D2943.2 D2944.2 D2945.2 D2946.2 D2947.2 D2948.2 D2949.2 D2950.2 D2951.2 D2952.2 D2953.2 D2954.2 D2955.2 D2956.2 D2957.2 D2958.2 D2959.2 D2960.2 D2961.2 D2962.2 D2963.2 D2964.2 D2965.2 D2966.2 D2967.2 D2968.2 J1486.1 J1486.2 J1487.1 J1487#2.1 J1487#3.1 J1487#4.1 J1487#5.1 J1487#6.1 J1487#7.1 J1487#8.1 J1487#9.1 J1487#10.1 J1487#11.1 J1487#12.1 J1487#13.1 J1487#14.1 J1487#15.1 J1487#16.1 J1487#17.1 J1487#18.1 J1487#19.1 J1487#20.1 J1487#21.1 J1487#22.1 J1487#23.1 J1487#24.1 J1487#25.1 J1487#26.1 J1487#27.1 J1487#28.1 J1487#29.1 J1487#30.1 J1487#31.1 J1487#32.1 J1487#33.1 J1487#34.1 J1487#35.1 J1487#36.1 J1487#37.1 J1487#38.1 J1487#39.1 J1487#40.1 J1487#41.1 J1487#42.1 J1487#43.1 J1487#44.1 J1487#45.1 J1487#46.1 J1487#47.1 J1487#48.1 J1487#49.1 J1487#50.1 J1488.1 J1489.1 J1490.1 J1491.1 J1492.1